# Altium PCB Bad-Fox Prototype.PcbDoc (part 4 of 6) (continued)
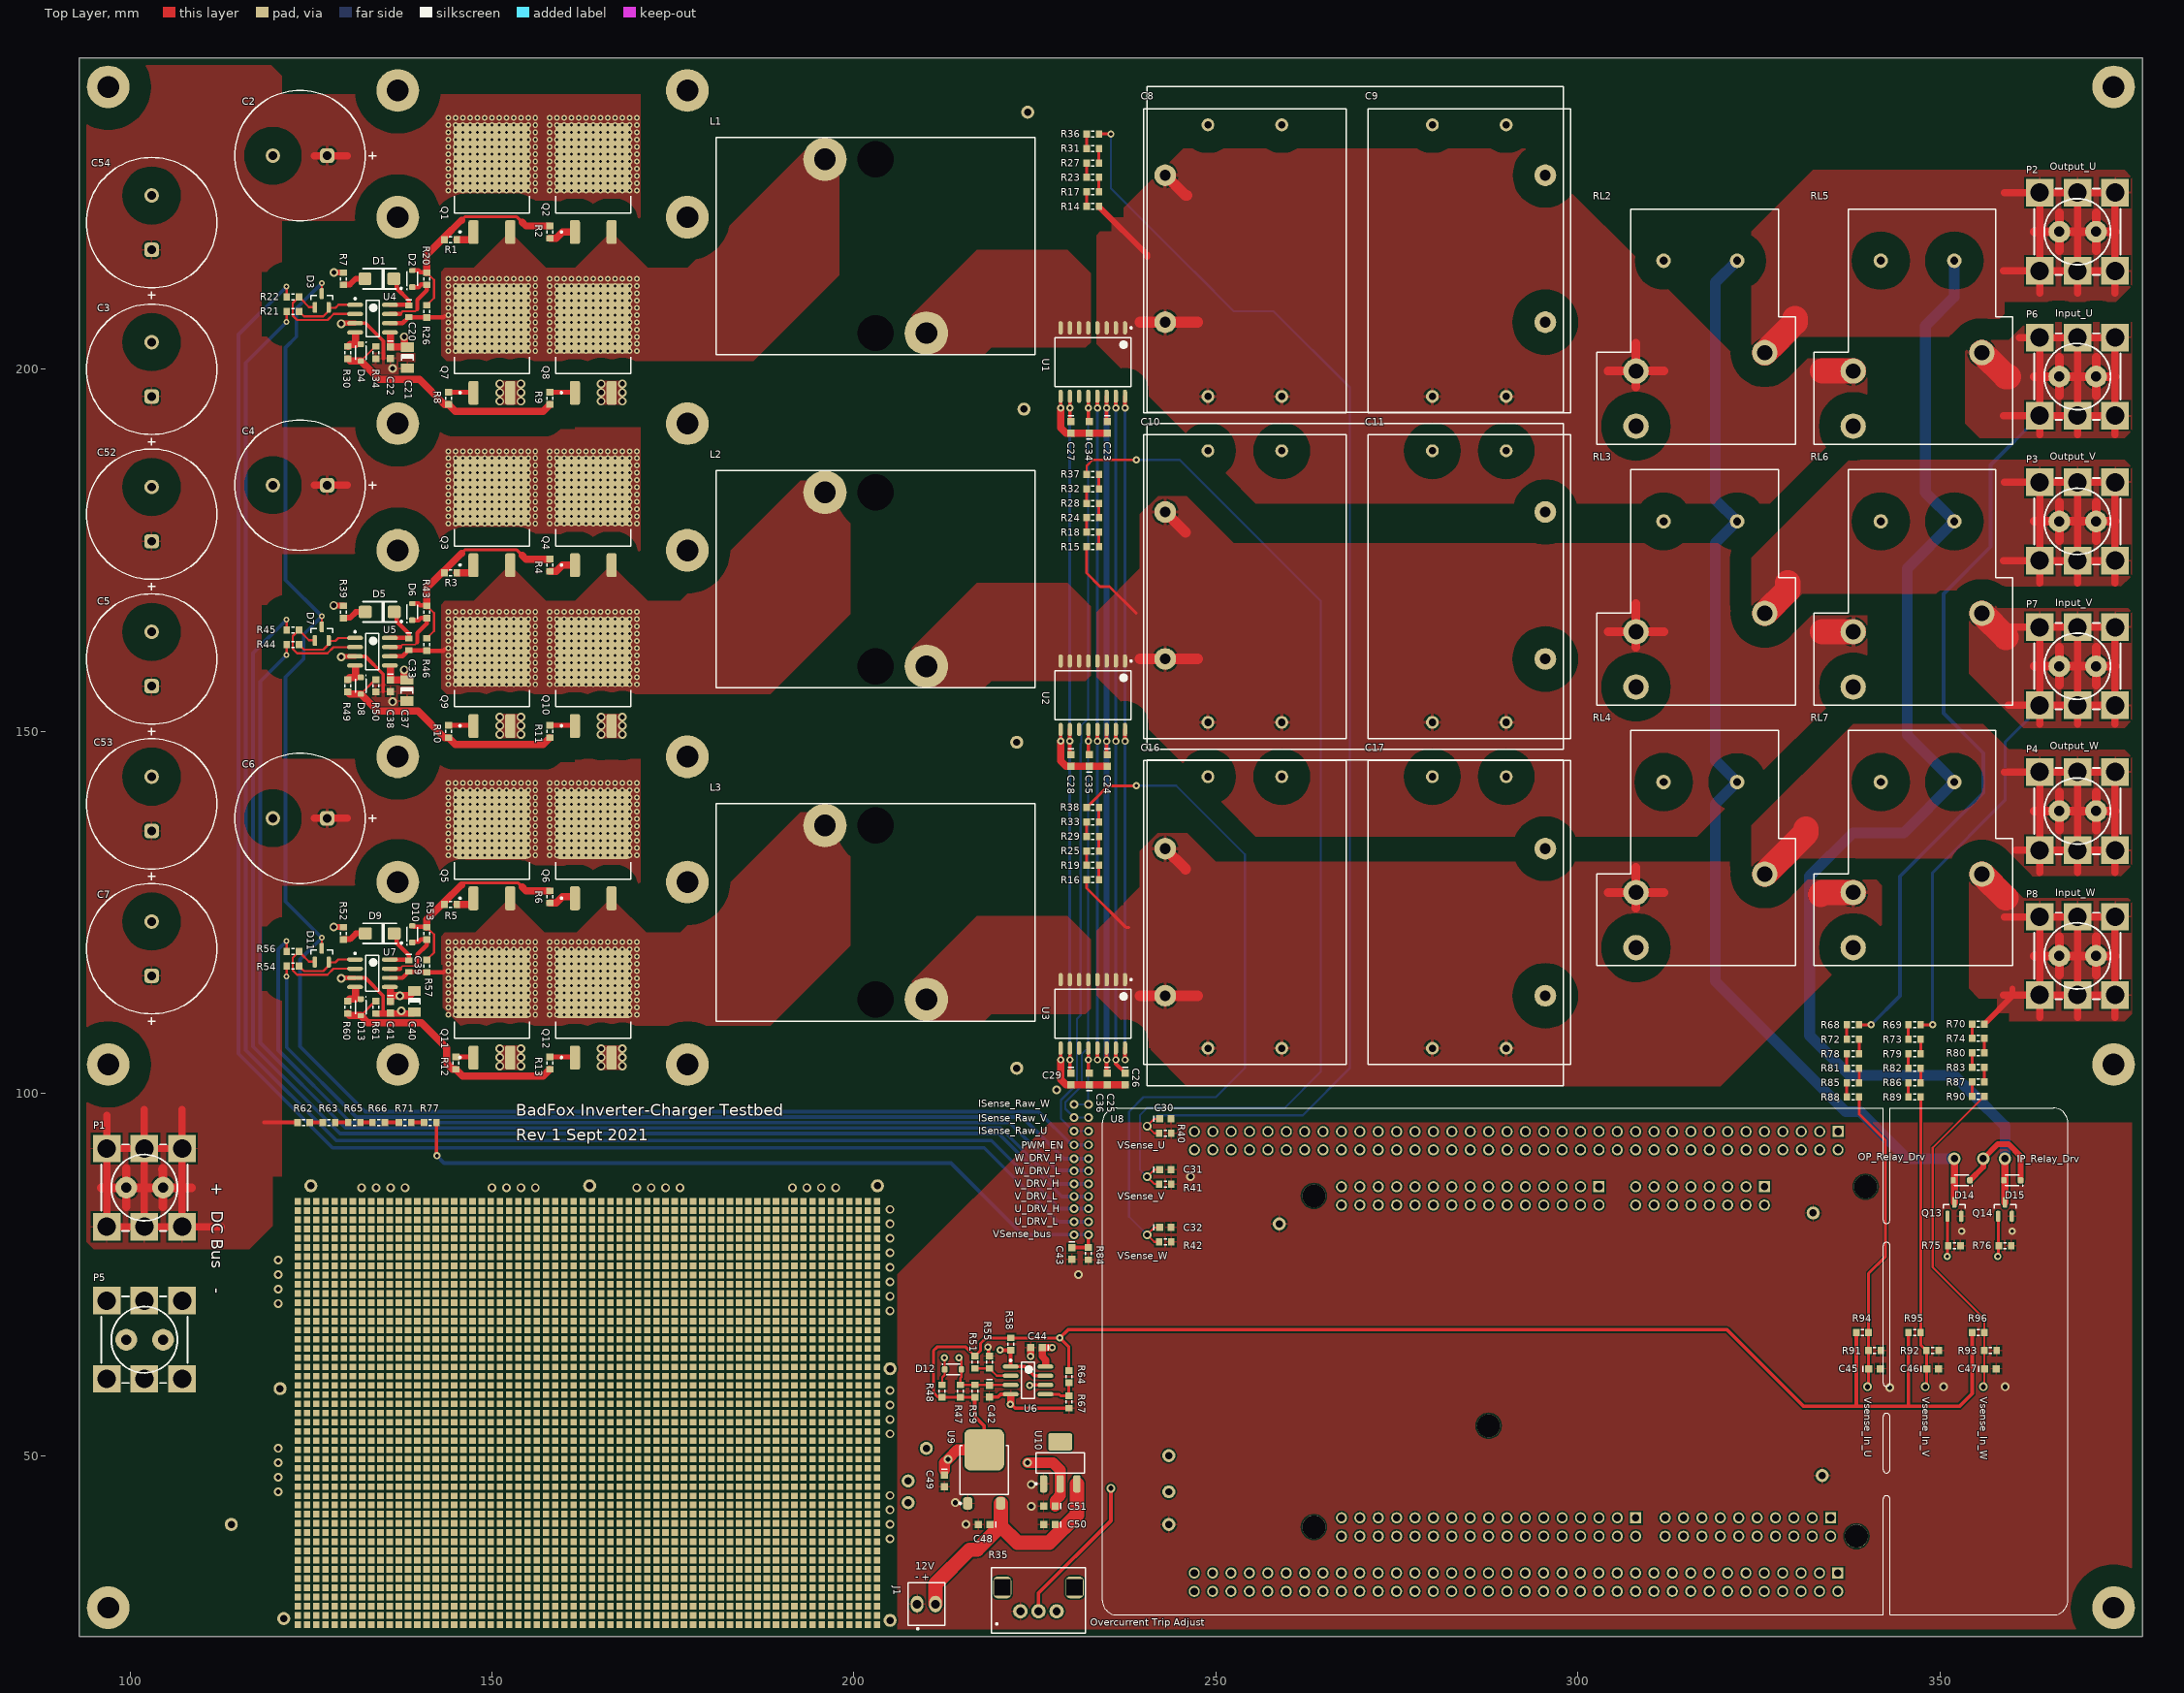
[diagram p0: Top Layer view]
## Free pads (board coordinates) (continued)
""(154.94,52.07) ""(154.94,53.34) ""(154.94,54.61) ""(154.94,55.88) ""(154.94,57.15) ""(154.94,58.42) ""(154.94,59.69) ""(154.94,60.96) ""(154.94,62.23) ""(154.94,63.5) ""(154.94,64.77) ""(154.94,66.04) ""(154.94,67.31) ""(154.94,68.58) ""(154.94,69.85) ""(154.94,71.12) ""(154.94,72.39) ""(154.94,73.66) ""(154.94,74.93) ""(154.94,76.2) ""(154.94,77.47) ""(154.94,78.74) ""(154.94,80.01) ""(154.94,81.28) ""(154.94,82.55) ""(154.94,83.82) ""(154.94,85.09) ""(156.21,26.67) ""(156.21,27.94) ""(156.21,29.21) ""(156.21,30.48) ""(156.21,31.75) ""(156.21,33.02) ""(156.21,34.29) ""(156.21,35.56) ""(156.21,36.83) ""(156.21,38.1) ""(156.21,39.37) ""(156.21,40.64) ""(156.21,41.91) ""(156.21,43.18) ""(156.21,44.45) ""(156.21,45.72) ""(156.21,46.99) ""(156.21,48.26) ""(156.21,49.53) ""(156.21,50.8) ""(156.21,52.07) ""(156.21,53.34) ""(156.21,54.61) ""(156.21,55.88) ""(156.21,57.15) ""(156.21,58.42) ""(156.21,59.69) ""(156.21,60.96) ""(156.21,62.23) ""(156.21,63.5) ""(156.21,64.77) ""(156.21,66.04) ""(156.21,67.31) ""(156.21,68.58) ""(156.21,69.85) ""(156.21,71.12) ""(156.21,72.39) ""(156.21,73.66) ""(156.21,74.93) ""(156.21,76.2) ""(156.21,77.47) ""(156.21,78.74) ""(156.21,80.01) ""(156.21,81.28) ""(156.21,82.55) ""(156.21,83.82) ""(156.21,85.09) ""(157.48,26.67) ""(157.48,27.94) ""(157.48,29.21) ""(157.48,30.48) ""(157.48,31.75) ""(157.48,33.02) ""(157.48,34.29) ""(157.48,35.56) ""(157.48,36.83) ""(157.48,38.1) ""(157.48,39.37) ""(157.48,40.64) ""(157.48,41.91) ""(157.48,43.18) ""(157.48,44.45) ""(157.48,45.72) ""(157.48,46.99) ""(157.48,48.26) ""(157.48,49.53) ""(157.48,50.8) ""(157.48,52.07) ""(157.48,53.34) ""(157.48,54.61) ""(157.48,55.88) ""(157.48,57.15) ""(157.48,58.42) ""(157.48,59.69) ""(157.48,60.96) ""(157.48,62.23) ""(157.48,63.5) ""(157.48,64.77) ""(157.48,66.04) ""(157.48,67.31) ""(157.48,68.58) ""(157.48,69.85) ""(157.48,71.12) ""(157.48,72.39) ""(157.48,73.66) ""(157.48,74.93) ""(157.48,76.2) ""(157.48,77.47) ""(157.48,78.74) ""(157.48,80.01) ""(157.48,81.28) ""(157.48,82.55) ""(157.48,83.82) ""(157.48,85.09) ""(158.75,26.67) ""(158.75,27.94) ""(158.75,29.21) ""(158.75,30.48) ""(158.75,31.75) ""(158.75,33.02) ""(158.75,34.29) ""(158.75,35.56) ""(158.75,36.83) ""(158.75,38.1) ""(158.75,39.37) ""(158.75,40.64) ""(158.75,41.91) ""(158.75,43.18) ""(158.75,44.45) ""(158.75,45.72) ""(158.75,46.99) ""(158.75,48.26) ""(158.75,49.53) ""(158.75,50.8) ""(158.75,52.07) ""(158.75,53.34) ""(158.75,54.61) ""(158.75,55.88) ""(158.75,57.15) ""(158.75,58.42) ""(158.75,59.69) ""(158.75,60.96) ""(158.75,62.23) ""(158.75,63.5) ""(158.75,64.77) ""(158.75,66.04) ""(158.75,67.31) ""(158.75,68.58) ""(158.75,69.85) ""(158.75,71.12) ""(158.75,72.39) ""(158.75,73.66) ""(158.75,74.93) ""(158.75,76.2) ""(158.75,77.47) ""(158.75,78.74) ""(158.75,80.01) ""(158.75,81.28) ""(158.75,82.55) ""(158.75,83.82) ""(158.75,85.09) ""(160.02,26.67) ""(160.02,27.94) ""(160.02,29.21) ""(160.02,30.48) ""(160.02,31.75) ""(160.02,33.02) ""(160.02,34.29) ""(160.02,35.56) ""(160.02,36.83) ""(160.02,38.1) ""(160.02,39.37) ""(160.02,40.64) ""(160.02,41.91) ""(160.02,43.18) ""(160.02,44.45) ""(160.02,45.72) ""(160.02,46.99) ""(160.02,48.26) ""(160.02,49.53) ""(160.02,50.8) ""(160.02,52.07) ""(160.02,53.34) ""(160.02,54.61) ""(160.02,55.88) ""(160.02,57.15) ""(160.02,58.42) ""(160.02,59.69) ""(160.02,60.96) ""(160.02,62.23) ""(160.02,63.5) ""(160.02,64.77) ""(160.02,66.04) ""(160.02,67.31) ""(160.02,68.58) ""(160.02,69.85) ""(160.02,71.12) ""(160.02,72.39) ""(160.02,73.66) ""(160.02,74.93) ""(160.02,76.2) ""(160.02,77.47) ""(160.02,78.74) ""(160.02,80.01) ""(160.02,81.28) ""(160.02,82.55) ""(160.02,83.82) ""(160.02,85.09) ""(161.29,26.67) ""(161.29,27.94) ""(161.29,29.21) ""(161.29,30.48) ""(161.29,31.75) ""(161.29,33.02) ""(161.29,34.29) ""(161.29,35.56) ""(161.29,36.83) ""(161.29,38.1) ""(161.29,39.37) ""(161.29,40.64) ""(161.29,41.91) ""(161.29,43.18) ""(161.29,44.45) ""(161.29,45.72) ""(161.29,46.99) ""(161.29,48.26) ""(161.29,49.53) ""(161.29,50.8) ""(161.29,52.07) ""(161.29,53.34) ""(161.29,54.61) ""(161.29,55.88) ""(161.29,57.15) ""(161.29,58.42) ""(161.29,59.69) ""(161.29,60.96) ""(161.29,62.23) ""(161.29,63.5) ""(161.29,64.77) ""(161.29,66.04) ""(161.29,67.31) ""(161.29,68.58) ""(161.29,69.85) ""(161.29,71.12) ""(161.29,72.39) ""(161.29,73.66) ""(161.29,74.93) ""(161.29,76.2) ""(161.29,77.47) ""(161.29,78.74) ""(161.29,80.01) ""(161.29,81.28) ""(161.29,82.55) ""(161.29,83.82) ""(161.29,85.09) ""(162.56,26.67) ""(162.56,27.94) ""(162.56,29.21) ""(162.56,30.48) ""(162.56,31.75) ""(162.56,33.02) ""(162.56,34.29) ""(162.56,35.56) ""(162.56,36.83) ""(162.56,38.1) ""(162.56,39.37) ""(162.56,40.64) ""(162.56,41.91) ""(162.56,43.18) ""(162.56,44.45) ""(162.56,45.72) ""(162.56,46.99) ""(162.56,48.26) ""(162.56,49.53) ""(162.56,50.8) ""(162.56,52.07) ""(162.56,53.34) ""(162.56,54.61) ""(162.56,55.88) ""(162.56,57.15) ""(162.56,58.42) ""(162.56,59.69) ""(162.56,60.96) ""(162.56,62.23) ""(162.56,63.5) ""(162.56,64.77) ""(162.56,66.04) ""(162.56,67.31) ""(162.56,68.58) ""(162.56,69.85) ""(162.56,71.12) ""(162.56,72.39) ""(162.56,73.66) ""(162.56,74.93) ""(162.56,76.2) ""(162.56,77.47) ""(162.56,78.74) ""(162.56,80.01) ""(162.56,81.28) ""(162.56,82.55) ""(162.56,83.82) ""(162.56,85.09) ""(163.83,26.67) ""(163.83,27.94) ""(163.83,29.21) ""(163.83,30.48) ""(163.83,31.75) ""(163.83,33.02) ""(163.83,34.29) ""(163.83,35.56) ""(163.83,36.83) ""(163.83,38.1) ""(163.83,39.37) ""(163.83,40.64) ""(163.83,41.91) ""(163.83,43.18) ""(163.83,44.45) ""(163.83,45.72) ""(163.83,46.99) ""(163.83,48.26) ""(163.83,49.53) ""(163.83,50.8) ""(163.83,52.07) ""(163.83,53.34) ""(163.83,54.61) ""(163.83,55.88) ""(163.83,57.15) ""(163.83,58.42) ""(163.83,59.69) ""(163.83,60.96) ""(163.83,62.23) ""(163.83,63.5) ""(163.83,64.77) ""(163.83,66.04) ""(163.83,67.31) ""(163.83,68.58) ""(163.83,69.85) ""(163.83,71.12) ""(163.83,72.39) ""(163.83,73.66) ""(163.83,74.93) ""(163.83,76.2) ""(163.83,77.47) ""(163.83,78.74) ""(163.83,80.01) ""(163.83,81.28) ""(163.83,82.55) ""(163.83,83.82) ""(163.83,85.09) ""(165.1,26.67) ""(165.1,27.94) ""(165.1,29.21) ""(165.1,30.48) ""(165.1,31.75) ""(165.1,33.02) ""(165.1,34.29) ""(165.1,35.56) ""(165.1,36.83) ""(165.1,38.1) ""(165.1,39.37) ""(165.1,40.64) ""(165.1,41.91) ""(165.1,43.18) ""(165.1,44.45) ""(165.1,45.72) ""(165.1,46.99) ""(165.1,48.26) ""(165.1,49.53) ""(165.1,50.8) ""(165.1,52.07) ""(165.1,53.34) ""(165.1,54.61) ""(165.1,55.88) ""(165.1,57.15) ""(165.1,58.42) ""(165.1,59.69) ""(165.1,60.96) ""(165.1,62.23) ""(165.1,63.5) ""(165.1,64.77) ""(165.1,66.04) ""(165.1,67.31) ""(165.1,68.58) ""(165.1,69.85) ""(165.1,71.12) ""(165.1,72.39) ""(165.1,73.66) ""(165.1,74.93) ""(165.1,76.2) ""(165.1,77.47) ""(165.1,78.74) ""(165.1,80.01) ""(165.1,81.28) ""(165.1,82.55) ""(165.1,83.82) ""(165.1,85.09) ""(166.37,26.67) ""(166.37,27.94) ""(166.37,29.21) ""(166.37,30.48) ""(166.37,31.75) ""(166.37,33.02) ""(166.37,34.29) ""(166.37,35.56) ""(166.37,36.83) ""(166.37,38.1) ""(166.37,39.37) ""(166.37,40.64) ""(166.37,41.91) ""(166.37,43.18) ""(166.37,44.45) ""(166.37,45.72) ""(166.37,46.99) ""(166.37,48.26) ""(166.37,49.53) ""(166.37,50.8) ""(166.37,52.07) ""(166.37,53.34) ""(166.37,54.61) ""(166.37,55.88) ""(166.37,57.15) ""(166.37,58.42) ""(166.37,59.69) ""(166.37,60.96) ""(166.37,62.23) ""(166.37,63.5) ""(166.37,64.77) ""(166.37,66.04) ""(166.37,67.31) ""(166.37,68.58) ""(166.37,69.85) ""(166.37,71.12) ""(166.37,72.39) ""(166.37,73.66) ""(166.37,74.93) ""(166.37,76.2) ""(166.37,77.47) ""(166.37,78.74) ""(166.37,80.01) ""(166.37,81.28) ""(166.37,82.55) ""(166.37,83.82) ""(166.37,85.09) ""(167.64,26.67) ""(167.64,27.94) ""(167.64,29.21) ""(167.64,30.48) ""(167.64,31.75) ""(167.64,33.02) ""(167.64,34.29) ""(167.64,35.56) ""(167.64,36.83) ""(167.64,38.1) ""(167.64,39.37) ""(167.64,40.64) ""(167.64,41.91) ""(167.64,43.18) ""(167.64,44.45) ""(167.64,45.72) ""(167.64,46.99) ""(167.64,48.26) ""(167.64,49.53) ""(167.64,50.8) ""(167.64,52.07) ""(167.64,53.34) ""(167.64,54.61) ""(167.64,55.88) ""(167.64,57.15) ""(167.64,58.42) ""(167.64,59.69) ""(167.64,60.96) ""(167.64,62.23) ""(167.64,63.5) ""(167.64,64.77) ""(167.64,66.04) ""(167.64,67.31) ""(167.64,68.58) ""(167.64,69.85) ""(167.64,71.12) ""(167.64,72.39) ""(167.64,73.66) ""(167.64,74.93) ""(167.64,76.2) ""(167.64,77.47) ""(167.64,78.74) ""(167.64,80.01) ""(167.64,81.28) ""(167.64,82.55) ""(167.64,83.82) ""(167.64,85.09) ""(168.91,26.67) ""(168.91,27.94) ""(168.91,29.21) ""(168.91,30.48) ""(168.91,31.75) ""(168.91,33.02) ""(168.91,34.29) ""(168.91,35.56) ""(168.91,36.83) ""(168.91,38.1) ""(168.91,39.37) ""(168.91,40.64) ""(168.91,41.91) ""(168.91,43.18) ""(168.91,44.45) ""(168.91,45.72) ""(168.91,46.99) ""(168.91,48.26) ""(168.91,49.53) ""(168.91,50.8) ""(168.91,52.07) ""(168.91,53.34) ""(168.91,54.61) ""(168.91,55.88) ""(168.91,57.15) ""(168.91,58.42) ""(168.91,59.69) ""(168.91,60.96) ""(168.91,62.23) ""(168.91,63.5) ""(168.91,64.77) ""(168.91,66.04) ""(168.91,67.31) ""(168.91,68.58) ""(168.91,69.85) ""(168.91,71.12) ""(168.91,72.39) ""(168.91,73.66) ""(168.91,74.93) ""(168.91,76.2) ""(168.91,77.47) ""(168.91,78.74) ""(168.91,80.01) ""(168.91,81.28) ""(168.91,82.55) ""(168.91,83.82) ""(168.91,85.09) ""(170.18,26.67) ""(170.18,27.94) ""(170.18,29.21) ""(170.18,30.48) ""(170.18,31.75) ""(170.18,33.02) ""(170.18,34.29) ""(170.18,35.56) ""(170.18,36.83) ""(170.18,38.1) ""(170.18,39.37) ""(170.18,40.64) ""(170.18,41.91) ""(170.18,43.18) ""(170.18,44.45) ""(170.18,45.72) ""(170.18,46.99) ""(170.18,48.26) ""(170.18,49.53) ""(170.18,50.8) ""(170.18,52.07) ""(170.18,53.34) ""(170.18,54.61) ""(170.18,55.88) ""(170.18,57.15) ""(170.18,58.42) ""(170.18,59.69) ""(170.18,60.96) ""(170.18,62.23) ""(170.18,63.5) ""(170.18,64.77) ""(170.18,66.04) ""(170.18,67.31) ""(170.18,68.58) ""(170.18,69.85) ""(170.18,71.12) ""(170.18,72.39) ""(170.18,73.66) ""(170.18,74.93) ""(170.18,76.2) ""(170.18,77.47) ""(170.18,78.74) ""(170.18,80.01) ""(170.18,81.28) ""(170.18,82.55) ""(170.18,83.82) ""(170.18,85.09) ""(171.45,26.67) ""(171.45,27.94) ""(171.45,29.21) ""(171.45,30.48) ""(171.45,31.75) ""(171.45,33.02) ""(171.45,34.29) ""(171.45,35.56) ""(171.45,36.83) ""(171.45,38.1) ""(171.45,39.37) ""(171.45,40.64) ""(171.45,41.91) ""(171.45,43.18) ""(171.45,44.45) ""(171.45,45.72) ""(171.45,46.99) ""(171.45,48.26) ""(171.45,49.53) ""(171.45,50.8) ""(171.45,52.07) ""(171.45,53.34) ""(171.45,54.61) ""(171.45,55.88) ""(171.45,57.15) ""(171.45,58.42) ""(171.45,59.69) ""(171.45,60.96) ""(171.45,62.23) ""(171.45,63.5) ""(171.45,64.77) ""(171.45,66.04) ""(171.45,67.31) ""(171.45,68.58) ""(171.45,69.85) ""(171.45,71.12) ""(171.45,72.39) ""(171.45,73.66) ""(171.45,74.93) ""(171.45,76.2) ""(171.45,77.47) ""(171.45,78.74) ""(171.45,80.01) ""(171.45,81.28) ""(171.45,82.55) ""(171.45,83.82) ""(171.45,85.09) ""(172.72,26.67) ""(172.72,27.94) ""(172.72,29.21) ""(172.72,30.48) ""(172.72,31.75) ""(172.72,33.02) ""(172.72,34.29) ""(172.72,35.56) ""(172.72,36.83) ""(172.72,38.1) ""(172.72,39.37) ""(172.72,40.64) ""(172.72,41.91) ""(172.72,43.18) ""(172.72,44.45) ""(172.72,45.72) ""(172.72,46.99) ""(172.72,48.26) ""(172.72,49.53) ""(172.72,50.8) ""(172.72,52.07) ""(172.72,53.34) ""(172.72,54.61) ""(172.72,55.88) ""(172.72,57.15) ""(172.72,58.42) ""(172.72,59.69) ""(172.72,60.96) ""(172.72,62.23) ""(172.72,63.5) ""(172.72,64.77) ""(172.72,66.04) ""(172.72,67.31) ""(172.72,68.58) ""(172.72,69.85) ""(172.72,71.12) ""(172.72,72.39) ""(172.72,73.66) ""(172.72,74.93) ""(172.72,76.2) ""(172.72,77.47) ""(172.72,78.74) ""(172.72,80.01) ""(172.72,81.28) ""(172.72,82.55) ""(172.72,83.82) ""(172.72,85.09) ""(173.99,26.67) ""(173.99,27.94) ""(173.99,29.21) ""(173.99,30.48) ""(173.99,31.75) ""(173.99,33.02) ""(173.99,34.29) ""(173.99,35.56) ""(173.99,36.83) ""(173.99,38.1) ""(173.99,39.37) ""(173.99,40.64) ""(173.99,41.91) ""(173.99,43.18) ""(173.99,44.45) ""(173.99,45.72) ""(173.99,46.99) ""(173.99,48.26) ""(173.99,49.53) ""(173.99,50.8) ""(173.99,52.07) ""(173.99,53.34) ""(173.99,54.61) ""(173.99,55.88) ""(173.99,57.15) ""(173.99,58.42) ""(173.99,59.69) ""(173.99,60.96) ""(173.99,62.23) ""(173.99,63.5) ""(173.99,64.77) ""(173.99,66.04) ""(173.99,67.31) ""(173.99,68.58) ""(173.99,69.85) ""(173.99,71.12) ""(173.99,72.39) ""(173.99,73.66) ""(173.99,74.93) ""(173.99,76.2) ""(173.99,77.47) ""(173.99,78.74) ""(173.99,80.01) ""(173.99,81.28) ""(173.99,82.55) ""(173.99,83.82) ""(173.99,85.09) ""(175.26,26.67) ""(175.26,27.94) ""(175.26,29.21) ""(175.26,30.48) ""(175.26,31.75) ""(175.26,33.02) ""(175.26,34.29) ""(175.26,35.56) ""(175.26,36.83) ""(175.26,38.1) ""(175.26,39.37) ""(175.26,40.64) ""(175.26,41.91) ""(175.26,43.18) ""(175.26,44.45) ""(175.26,45.72) ""(175.26,46.99) ""(175.26,48.26) ""(175.26,49.53) ""(175.26,50.8) ""(175.26,52.07) ""(175.26,53.34) ""(175.26,54.61) ""(175.26,55.88) ""(175.26,57.15) ""(175.26,58.42) ""(175.26,59.69) ""(175.26,60.96) ""(175.26,62.23) ""(175.26,63.5) ""(175.26,64.77) ""(175.26,66.04) ""(175.26,67.31) ""(175.26,68.58) ""(175.26,69.85) ""(175.26,71.12) ""(175.26,72.39) ""(175.26,73.66) ""(175.26,74.93) ""(175.26,76.2) ""(175.26,77.47) ""(175.26,78.74) ""(175.26,80.01) ""(175.26,81.28) ""(175.26,82.55) ""(175.26,83.82) ""(175.26,85.09) ""(176.53,26.67) ""(176.53,27.94) ""(176.53,29.21) ""(176.53,30.48) ""(176.53,31.75) ""(176.53,33.02) ""(176.53,34.29) ""(176.53,35.56) ""(176.53,36.83) ""(176.53,38.1) ""(176.53,39.37) ""(176.53,40.64) ""(176.53,41.91) ""(176.53,43.18) ""(176.53,44.45) ""(176.53,45.72) ""(176.53,46.99) ""(176.53,48.26) ""(176.53,49.53) ""(176.53,50.8) ""(176.53,52.07) ""(176.53,53.34) ""(176.53,54.61) ""(176.53,55.88) ""(176.53,57.15) ""(176.53,58.42) ""(176.53,59.69) ""(176.53,60.96) ""(176.53,62.23) ""(176.53,63.5) ""(176.53,64.77) ""(176.53,66.04) ""(176.53,67.31) ""(176.53,68.58) ""(176.53,69.85) ""(176.53,71.12) ""(176.53,72.39) ""(176.53,73.66) ""(176.53,74.93) ""(176.53,76.2) ""(176.53,77.47) ""(176.53,78.74) ""(176.53,80.01) ""(176.53,81.28) ""(176.53,82.55) ""(176.53,83.82) ""(176.53,85.09) ""(177.8,26.67) ""(177.8,27.94) ""(177.8,29.21) ""(177.8,30.48) ""(177.8,31.75) ""(177.8,33.02) ""(177.8,34.29) ""(177.8,35.56) ""(177.8,36.83) ""(177.8,38.1) ""(177.8,39.37) ""(177.8,40.64) ""(177.8,41.91) ""(177.8,43.18) ""(177.8,44.45) ""(177.8,45.72) ""(177.8,46.99) ""(177.8,48.26) ""(177.8,49.53) ""(177.8,50.8) ""(177.8,52.07) ""(177.8,53.34) ""(177.8,54.61) ""(177.8,55.88) ""(177.8,57.15) ""(177.8,58.42) ""(177.8,59.69) ""(177.8,60.96) ""(177.8,62.23) ""(177.8,63.5) ""(177.8,64.77) ""(177.8,66.04) ""(177.8,67.31) ""(177.8,68.58) ""(177.8,69.85) ""(177.8,71.12) ""(177.8,72.39) ""(177.8,73.66) ""(177.8,74.93) ""(177.8,76.2) ""(177.8,77.47) ""(177.8,78.74) ""(177.8,80.01) ""(177.8,81.28) ""(177.8,82.55) ""(177.8,83.82) ""(177.8,85.09) ""(179.07,26.67) ""(179.07,27.94) ""(179.07,29.21) ""(179.07,30.48) ""(179.07,31.75) ""(179.07,33.02) ""(179.07,34.29) ""(179.07,35.56) ""(179.07,36.83) ""(179.07,38.1) ""(179.07,39.37) ""(179.07,40.64) ""(179.07,41.91) ""(179.07,43.18) ""(179.07,44.45) ""(179.07,45.72) ""(179.07,46.99) ""(179.07,48.26) ""(179.07,49.53) ""(179.07,50.8) ""(179.07,52.07) ""(179.07,53.34) ""(179.07,54.61) ""(179.07,55.88) ""(179.07,57.15) ""(179.07,58.42) ""(179.07,59.69) ""(179.07,60.96) ""(179.07,62.23) ""(179.07,63.5) ""(179.07,64.77) ""(179.07,66.04) ""(179.07,67.31) ""(179.07,68.58) ""(179.07,69.85) ""(179.07,71.12) ""(179.07,72.39) ""(179.07,73.66) ""(179.07,74.93) ""(179.07,76.2) ""(179.07,77.47) ""(179.07,78.74) ""(179.07,80.01) ""(179.07,81.28) ""(179.07,82.55) ""(179.07,83.82) ""(179.07,85.09) ""(180.34,26.67) ""(180.34,27.94) ""(180.34,29.21) ""(180.34,30.48) ""(180.34,31.75) ""(180.34,33.02) ""(180.34,34.29) ""(180.34,35.56) ""(180.34,36.83) ""(180.34,38.1) ""(180.34,39.37) ""(180.34,40.64) ""(180.34,41.91) ""(180.34,43.18) ""(180.34,44.45) ""(180.34,45.72) ""(180.34,46.99) ""(180.34,48.26) ""(180.34,49.53) ""(180.34,50.8) ""(180.34,52.07) ""(180.34,53.34) ""(180.34,54.61) ""(180.34,55.88) ""(180.34,57.15) ""(180.34,58.42) ""(180.34,59.69) ""(180.34,60.96) ""(180.34,62.23) ""(180.34,63.5) ""(180.34,64.77) ""(180.34,66.04) ""(180.34,67.31) ""(180.34,68.58) ""(180.34,69.85) ""(180.34,71.12) ""(180.34,72.39) ""(180.34,73.66) ""(180.34,74.93) ""(180.34,76.2) ""(180.34,77.47) ""(180.34,78.74) ""(180.34,80.01) ""(180.34,81.28) ""(180.34,82.55) ""(180.34,83.82) ""(180.34,85.09) ""(181.61,26.67) ""(181.61,27.94) ""(181.61,29.21) ""(181.61,30.48) ""(181.61,31.75) ""(181.61,33.02) ""(181.61,34.29) ""(181.61,35.56) ""(181.61,36.83) ""(181.61,38.1) ""(181.61,39.37) ""(181.61,40.64) ""(181.61,41.91) ""(181.61,43.18) ""(181.61,44.45) ""(181.61,45.72) ""(181.61,46.99) ""(181.61,48.26) ""(181.61,49.53) ""(181.61,50.8) ""(181.61,52.07) ""(181.61,53.34) ""(181.61,54.61) ""(181.61,55.88) ""(181.61,57.15) ""(181.61,58.42) ""(181.61,59.69) ""(181.61,60.96) ""(181.61,62.23) ""(181.61,63.5) ""(181.61,64.77) ""(181.61,66.04) ""(181.61,67.31) ""(181.61,68.58) ""(181.61,69.85) ""(181.61,71.12) ""(181.61,72.39) ""(181.61,73.66) ""(181.61,74.93) ""(181.61,76.2) ""(181.61,77.47) ""(181.61,78.74) ""(181.61,80.01) ""(181.61,81.28) ""(181.61,82.55) ""(181.61,83.82) ""(181.61,85.09) ""(182.88,26.67) ""(182.88,27.94) ""(182.88,29.21) ""(182.88,30.48) ""(182.88,31.75) ""(182.88,33.02) ""(182.88,34.29) ""(182.88,35.56) ""(182.88,36.83) ""(182.88,38.1) ""(182.88,39.37) ""(182.88,40.64) ""(182.88,41.91) ""(182.88,43.18) ""(182.88,44.45) ""(182.88,45.72) ""(182.88,46.99) ""(182.88,48.26) ""(182.88,49.53) ""(182.88,50.8) ""(182.88,52.07) ""(182.88,53.34) ""(182.88,54.61) ""(182.88,55.88) ""(182.88,57.15) ""(182.88,58.42) ""(182.88,59.69) ""(182.88,60.96) ""(182.88,62.23) ""(182.88,63.5) ""(182.88,64.77) ""(182.88,66.04) ""(182.88,67.31) ""(182.88,68.58) ""(182.88,69.85) ""(182.88,71.12) ""(182.88,72.39) ""(182.88,73.66) ""(182.88,74.93) ""(182.88,76.2) ""(182.88,77.47) ""(182.88,78.74) ""(182.88,80.01) ""(182.88,81.28) ""(182.88,82.55) ""(182.88,83.82) ""(182.88,85.09) ""(184.15,26.67) ""(184.15,27.94) ""(184.15,29.21) ""(184.15,30.48) ""(184.15,31.75) ""(184.15,33.02) ""(184.15,34.29) ""(184.15,35.56) ""(184.15,36.83) ""(184.15,38.1) ""(184.15,39.37) ""(184.15,40.64) ""(184.15,41.91) ""(184.15,43.18) ""(184.15,44.45) ""(184.15,45.72) ""(184.15,46.99) ""(184.15,48.26) ""(184.15,49.53) ""(184.15,50.8) ""(184.15,52.07) ""(184.15,53.34) ""(184.15,54.61) ""(184.15,55.88) ""(184.15,57.15) ""(184.15,58.42) ""(184.15,59.69) ""(184.15,60.96) ""(184.15,62.23) ""(184.15,63.5) ""(184.15,64.77) ""(184.15,66.04) ""(184.15,67.31) ""(184.15,68.58) ""(184.15,69.85) ""(184.15,71.12) ""(184.15,72.39) ""(184.15,73.66) ""(184.15,74.93) ""(184.15,76.2) ""(184.15,77.47) ""(184.15,78.74) ""(184.15,80.01) ""(184.15,81.28) ""(184.15,82.55) ""(184.15,83.82) ""(184.15,85.09) ""(185.42,26.67) ""(185.42,27.94) ""(185.42,29.21) ""(185.42,30.48) ""(185.42,31.75) ""(185.42,33.02) ""(185.42,34.29) ""(185.42,35.56) ""(185.42,36.83) ""(185.42,38.1) ""(185.42,39.37) ""(185.42,40.64) ""(185.42,41.91) ""(185.42,43.18) ""(185.42,44.45) ""(185.42,45.72) ""(185.42,46.99) ""(185.42,48.26) ""(185.42,49.53) ""(185.42,50.8) ""(185.42,52.07) ""(185.42,53.34) ""(185.42,54.61) ""(185.42,55.88) ""(185.42,57.15) ""(185.42,58.42) ""(185.42,59.69) ""(185.42,60.96) ""(185.42,62.23) ""(185.42,63.5) ""(185.42,64.77) ""(185.42,66.04) ""(185.42,67.31) ""(185.42,68.58) ""(185.42,69.85) ""(185.42,71.12) ""(185.42,72.39) ""(185.42,73.66) ""(185.42,74.93) ""(185.42,76.2) ""(185.42,77.47) ""(185.42,78.74) ""(185.42,80.01) ""(185.42,81.28) ""(185.42,82.55) ""(185.42,83.82) ""(185.42,85.09) ""(186.69,26.67) ""(186.69,27.94) ""(186.69,29.21) ""(186.69,30.48) ""(186.69,31.75) ""(186.69,33.02) ""(186.69,34.29) ""(186.69,35.56) ""(186.69,36.83) ""(186.69,38.1) ""(186.69,39.37) ""(186.69,40.64) ""(186.69,41.91) ""(186.69,43.18) ""(186.69,44.45) ""(186.69,45.72) ""(186.69,46.99) ""(186.69,48.26) ""(186.69,49.53) ""(186.69,50.8) ""(186.69,52.07) ""(186.69,53.34) ""(186.69,54.61) ""(186.69,55.88) ""(186.69,57.15) ""(186.69,58.42) ""(186.69,59.69) ""(186.69,60.96) ""(186.69,62.23) ""(186.69,63.5) ""(186.69,64.77) ""(186.69,66.04) ""(186.69,67.31) ""(186.69,68.58) ""(186.69,69.85) ""(186.69,71.12) ""(186.69,72.39) ""(186.69,73.66) ""(186.69,74.93) ""(186.69,76.2) ""(186.69,77.47) ""(186.69,78.74) ""(186.69,80.01) ""(186.69,81.28) ""(186.69,82.55) ""(186.69,83.82) ""(186.69,85.09) ""(187.96,26.67) ""(187.96,27.94) ""(187.96,29.21) ""(187.96,30.48) ""(187.96,31.75) ""(187.96,33.02) ""(187.96,34.29) ""(187.96,35.56) ""(187.96,36.83) ""(187.96,38.1) ""(187.96,39.37) ""(187.96,40.64) ""(187.96,41.91) ""(187.96,43.18) ""(187.96,44.45) ""(187.96,45.72) ""(187.96,46.99) ""(187.96,48.26) ""(187.96,49.53) ""(187.96,50.8) ""(187.96,52.07) ""(187.96,53.34) ""(187.96,54.61) ""(187.96,55.88) ""(187.96,57.15) ""(187.96,58.42) ""(187.96,59.69) ""(187.96,60.96) ""(187.96,62.23) ""(187.96,63.5) ""(187.96,64.77) ""(187.96,66.04) ""(187.96,67.31) ""(187.96,68.58) ""(187.96,69.85) ""(187.96,71.12) ""(187.96,72.39) ""(187.96,73.66) ""(187.96,74.93) ""(187.96,76.2) ""(187.96,77.47) ""(187.96,78.74) ""(187.96,80.01) ""(187.96,81.28) ""(187.96,82.55) ""(187.96,83.82) ""(187.96,85.09) ""(189.23,26.67) ""(189.23,27.94) ""(189.23,29.21) ""(189.23,30.48) ""(189.23,31.75) ""(189.23,33.02) ""(189.23,34.29) ""(189.23,35.56) ""(189.23,36.83) ""(189.23,38.1) ""(189.23,39.37) ""(189.23,40.64) ""(189.23,41.91) ""(189.23,43.18) ""(189.23,44.45) ""(189.23,45.72) ""(189.23,46.99) ""(189.23,48.26) ""(189.23,49.53) ""(189.23,50.8) ""(189.23,52.07) ""(189.23,53.34) ""(189.23,54.61) ""(189.23,55.88) ""(189.23,57.15) ""(189.23,58.42) ""(189.23,59.69) ""(189.23,60.96) ""(189.23,62.23) ""(189.23,63.5) ""(189.23,64.77) ""(189.23,66.04) ""(189.23,67.31) ""(189.23,68.58) ""(189.23,69.85) ""(189.23,71.12) ""(189.23,72.39) ""(189.23,73.66) ""(189.23,74.93) ""(189.23,76.2) ""(189.23,77.47) ""(189.23,78.74) ""(189.23,80.01) ""(189.23,81.28) ""(189.23,82.55) ""(189.23,83.82) ""(189.23,85.09) ""(190.5,26.67) ""(190.5,27.94) ""(190.5,29.21) ""(190.5,30.48) ""(190.5,31.75) ""(190.5,33.02) ""(190.5,34.29) ""(190.5,35.56) ""(190.5,36.83) ""(190.5,38.1) ""(190.5,39.37) ""(190.5,40.64) ""(190.5,41.91) ""(190.5,43.18) ""(190.5,44.45) ""(190.5,45.72) ""(190.5,46.99) ""(190.5,48.26) ""(190.5,49.53) ""(190.5,50.8) ""(190.5,52.07) ""(190.5,53.34) ""(190.5,54.61) ""(190.5,55.88) ""(190.5,57.15) ""(190.5,58.42) ""(190.5,59.69) ""(190.5,60.96) ""(190.5,62.23) ""(190.5,63.5) ""(190.5,64.77) ""(190.5,66.04) ""(190.5,67.31) ""(190.5,68.58) ""(190.5,69.85) ""(190.5,71.12) ""(190.5,72.39) ""(190.5,73.66) ""(190.5,74.93) ""(190.5,76.2) ""(190.5,77.47) ""(190.5,78.74) ""(190.5,80.01) ""(190.5,81.28) ""(190.5,82.55) ""(190.5,83.82) ""(190.5,85.09) ""(191.77,26.67) ""(191.77,27.94) ""(191.77,29.21) ""(191.77,30.48) ""(191.77,31.75) ""(191.77,33.02) ""(191.77,34.29) ""(191.77,35.56) ""(191.77,36.83) ""(191.77,38.1) ""(191.77,39.37) ""(191.77,40.64) ""(191.77,41.91) ""(191.77,43.18) ""(191.77,44.45) ""(191.77,45.72) ""(191.77,46.99) ""(191.77,48.26) ""(191.77,49.53) ""(191.77,50.8) ""(191.77,52.07) ""(191.77,53.34) ""(191.77,54.61) ""(191.77,55.88) ""(191.77,57.15) ""(191.77,58.42) ""(191.77,59.69) ""(191.77,60.96) ""(191.77,62.23) ""(191.77,63.5) ""(191.77,64.77) ""(191.77,66.04) ""(191.77,67.31) ""(191.77,68.58) ""(191.77,69.85) ""(191.77,71.12) ""(191.77,72.39) ""(191.77,73.66) ""(191.77,74.93) ""(191.77,76.2) ""(191.77,77.47) ""(191.77,78.74) ""(191.77,80.01) ""(191.77,81.28) ""(191.77,82.55) ""(191.77,83.82) ""(191.77,85.09) ""(193.04,26.67) ""(193.04,27.94) ""(193.04,29.21) ""(193.04,30.48) ""(193.04,31.75) ""(193.04,33.02) ""(193.04,34.29) ""(193.04,35.56) ""(193.04,36.83) ""(193.04,38.1) ""(193.04,39.37) ""(193.04,40.64) ""(193.04,41.91) ""(193.04,43.18) ""(193.04,44.45) ""(193.04,45.72) ""(193.04,46.99) ""(193.04,48.26) ""(193.04,49.53) ""(193.04,50.8) ""(193.04,52.07) ""(193.04,53.34) ""(193.04,54.61) ""(193.04,55.88) ""(193.04,57.15) ""(193.04,58.42) ""(193.04,59.69) ""(193.04,60.96) ""(193.04,62.23) ""(193.04,63.5) ""(193.04,64.77) ""(193.04,66.04) ""(193.04,67.31) ""(193.04,68.58) ""(193.04,69.85) ""(193.04,71.12) ""(193.04,72.39) ""(193.04,73.66) ""(193.04,74.93) ""(193.04,76.2) ""(193.04,77.47) ""(193.04,78.74) ""(193.04,80.01) ""(193.04,81.28) ""(193.04,82.55) ""(193.04,83.82) ""(193.04,85.09) ""(194.31,26.67) ""(194.31,27.94) ""(194.31,29.21) ""(194.31,30.48) ""(194.31,31.75) ""(194.31,33.02) ""(194.31,34.29) ""(194.31,35.56) ""(194.31,36.83) ""(194.31,38.1) ""(194.31,39.37) ""(194.31,40.64) ""(194.31,41.91) ""(194.31,43.18) ""(194.31,44.45) ""(194.31,45.72) ""(194.31,46.99) ""(194.31,48.26) ""(194.31,49.53) ""(194.31,50.8) ""(194.31,52.07) ""(194.31,53.34) ""(194.31,54.61) ""(194.31,55.88) ""(194.31,57.15) ""(194.31,58.42) ""(194.31,59.69) ""(194.31,60.96) ""(194.31,62.23) ""(194.31,63.5) ""(194.31,64.77) ""(194.31,66.04) ""(194.31,67.31) ""(194.31,68.58) ""(194.31,69.85) ""(194.31,71.12) ""(194.31,72.39) ""(194.31,73.66) ""(194.31,74.93) ""(194.31,76.2) ""(194.31,77.47) ""(194.31,78.74) ""(194.31,80.01) ""(194.31,81.28) ""(194.31,82.55) ""(194.31,83.82) ""(194.31,85.09) ""(195.58,26.67) ""(195.58,27.94) ""(195.58,29.21) ""(195.58,30.48) ""(195.58,31.75) ""(195.58,33.02) ""(195.58,34.29) ""(195.58,35.56) ""(195.58,36.83) ""(195.58,38.1) ""(195.58,39.37) ""(195.58,40.64) ""(195.58,41.91) ""(195.58,43.18) ""(195.58,44.45) ""(195.58,45.72) ""(195.58,46.99) ""(195.58,48.26) ""(195.58,49.53) ""(195.58,50.8) ""(195.58,52.07) ""(195.58,53.34) ""(195.58,54.61) ""(195.58,55.88) ""(195.58,57.15) ""(195.58,58.42) ""(195.58,59.69) ""(195.58,60.96) ""(195.58,62.23) ""(195.58,63.5) ""(195.58,64.77) ""(195.58,66.04) ""(195.58,67.31) ""(195.58,68.58) ""(195.58,69.85) ""(195.58,71.12) ""(195.58,72.39) ""(195.58,73.66) ""(195.58,74.93) ""(195.58,76.2) ""(195.58,77.47) ""(195.58,78.74) ""(195.58,80.01) ""(195.58,81.28) ""(195.58,82.55) ""(195.58,83.82) ""(195.58,85.09) ""(196.85,26.67) ""(196.85,27.94) ""(196.85,29.21) ""(196.85,30.48) ""(196.85,31.75) ""(196.85,33.02) ""(196.85,34.29) ""(196.85,35.56) ""(196.85,36.83) ""(196.85,38.1) ""(196.85,39.37) ""(196.85,40.64) ""(196.85,41.91) ""(196.85,43.18) ""(196.85,44.45) ""(196.85,45.72) ""(196.85,46.99) ""(196.85,48.26) ""(196.85,49.53) ""(196.85,50.8) ""(196.85,52.07) ""(196.85,53.34) ""(196.85,54.61) ""(196.85,55.88) ""(196.85,57.15) ""(196.85,58.42) ""(196.85,59.69) ""(196.85,60.96) ""(196.85,62.23) ""(196.85,63.5) ""(196.85,64.77) ""(196.85,66.04) ""(196.85,67.31) ""(196.85,68.58) ""(196.85,69.85) ""(196.85,71.12) ""(196.85,72.39) ""(196.85,73.66) ""(196.85,74.93) ""(196.85,76.2) ""(196.85,77.47) ""(196.85,78.74) ""(196.85,80.01) ""(196.85,81.28) ""(196.85,82.55) ""(196.85,83.82) ""(196.85,85.09) ""(198.12,26.67) ""(198.12,27.94) ""(198.12,29.21) ""(198.12,30.48) ""(198.12,31.75) ""(198.12,33.02) ""(198.12,34.29) ""(198.12,35.56) ""(198.12,36.83) ""(198.12,38.1) ""(198.12,39.37) ""(198.12,40.64) ""(198.12,41.91) ""(198.12,43.18) ""(198.12,44.45) ""(198.12,45.72) ""(198.12,46.99) ""(198.12,48.26) ""(198.12,49.53) ""(198.12,50.8) ""(198.12,52.07) ""(198.12,53.34) ""(198.12,54.61) ""(198.12,55.88) ""(198.12,57.15) ""(198.12,58.42) ""(198.12,59.69) ""(198.12,60.96) ""(198.12,62.23) ""(198.12,63.5) ""(198.12,64.77) ""(198.12,66.04) ""(198.12,67.31) ""(198.12,68.58) ""(198.12,69.85) ""(198.12,71.12) ""(198.12,72.39) ""(198.12,73.66) ""(198.12,74.93) ""(198.12,76.2) ""(198.12,77.47) ""(198.12,78.74) ""(198.12,80.01) ""(198.12,81.28) ""(198.12,82.55) ""(198.12,83.82) ""(198.12,85.09) ""(199.39,26.67) ""(199.39,27.94) ""(199.39,29.21) ""(199.39,30.48) ""(199.39,31.75) ""(199.39,33.02) ""(199.39,34.29) ""(199.39,35.56) ""(199.39,36.83) ""(199.39,38.1) ""(199.39,39.37) ""(199.39,40.64) ""(199.39,41.91) ""(199.39,43.18) ""(199.39,44.45) ""(199.39,45.72) ""(199.39,46.99) ""(199.39,48.26) ""(199.39,49.53) ""(199.39,50.8) ""(199.39,52.07) ""(199.39,53.34) ""(199.39,54.61) ""(199.39,55.88) ""(199.39,57.15) ""(199.39,58.42) ""(199.39,59.69) ""(199.39,60.96) ""(199.39,62.23) ""(199.39,63.5) ""(199.39,64.77) ""(199.39,66.04) ""(199.39,67.31) ""(199.39,68.58) ""(199.39,69.85) ""(199.39,71.12) ""(199.39,72.39)